# Altium PCB GCMProtPCB.PcbDoc
Units mm, origin at the board's own origin, x right, y up, seen from the top; angles counter-clockwise.
Board outline 152.4 x 101.6 mm, 2 copper layers (Top Layer, Bottom Layer); 38 components, 39 nets, 170 pads, 0 vias.
Unrouted connection lines stored in the file: 99.
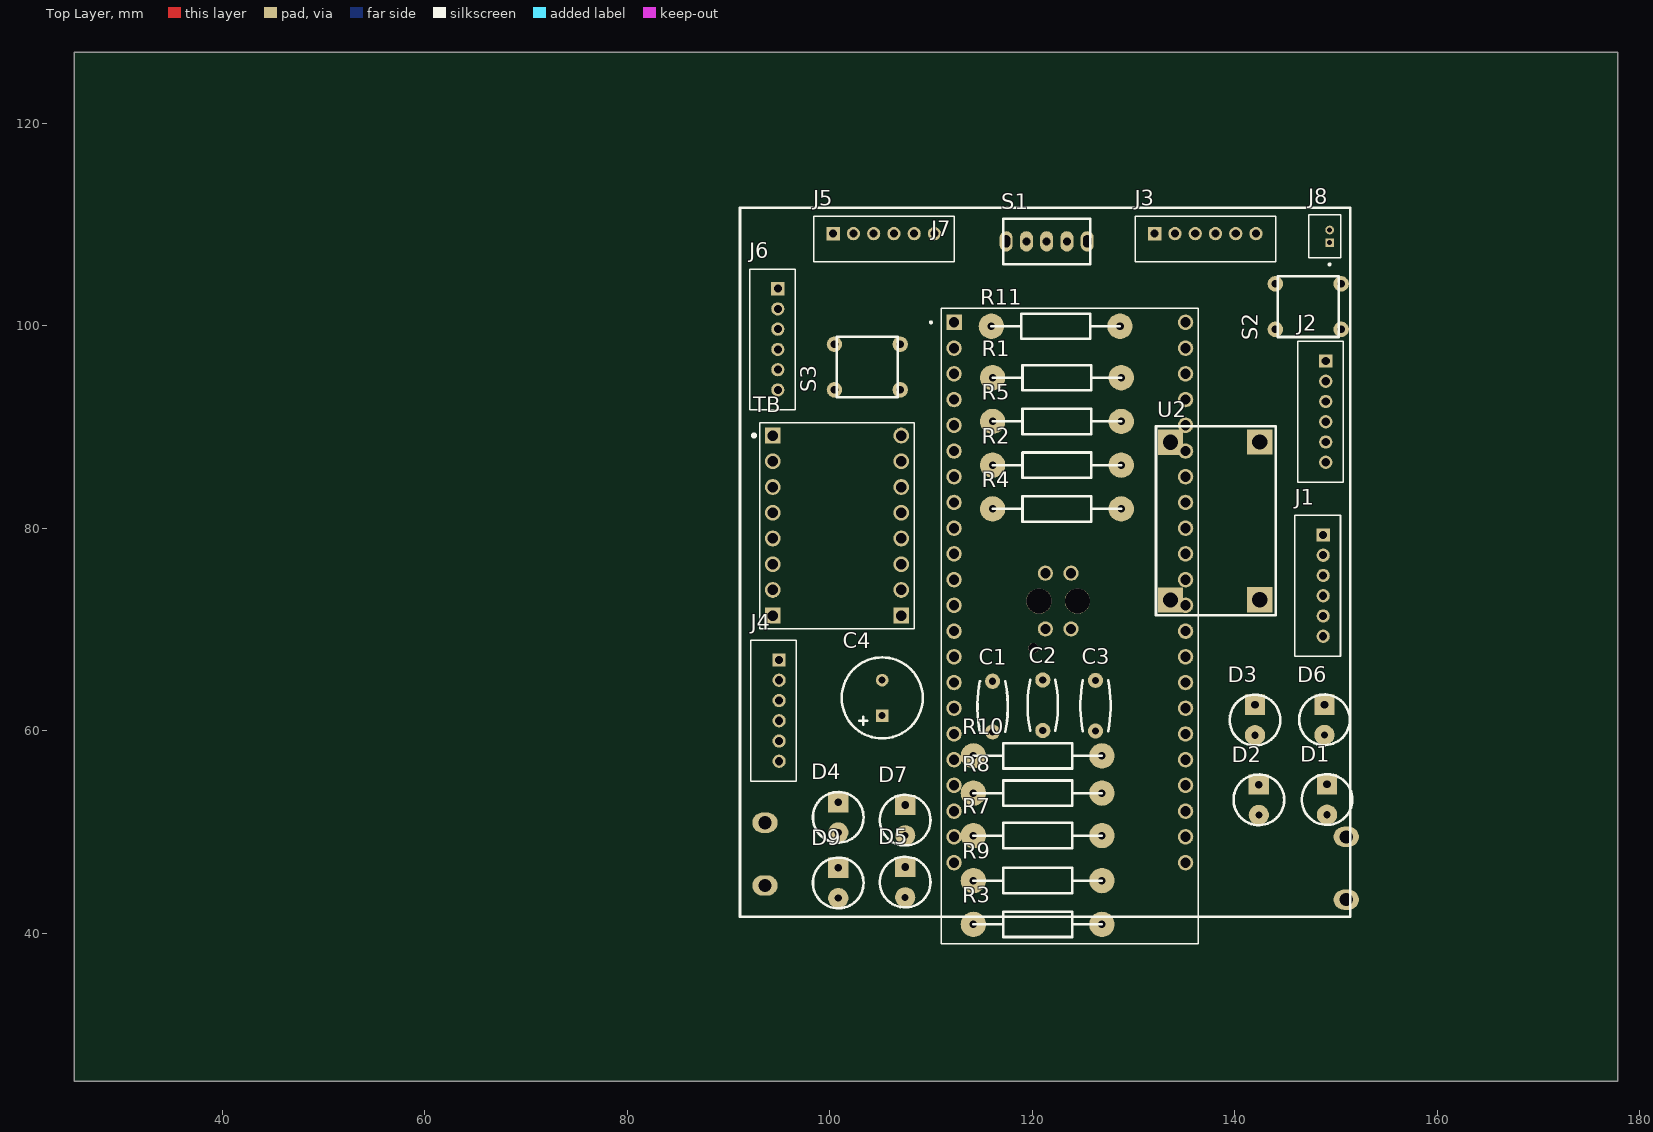
[diagram p0: Top Layer view]
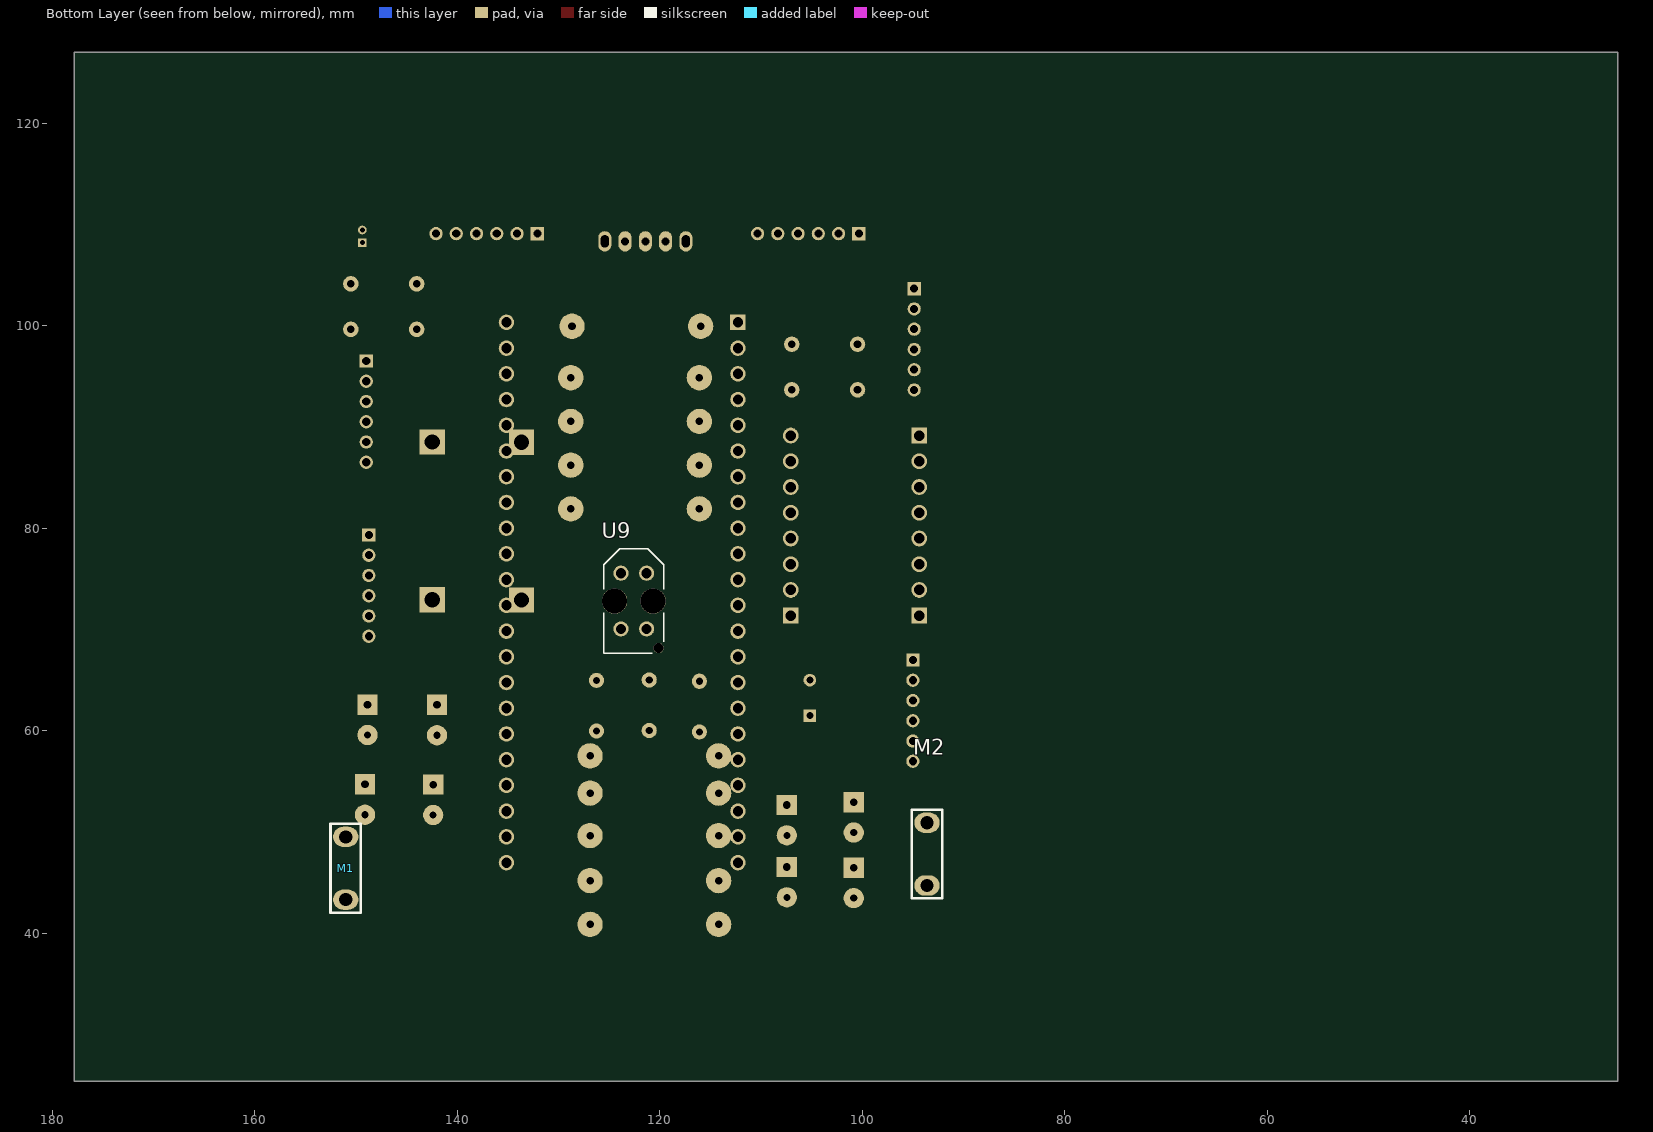
[diagram p1: Bottom Layer view, seen from below]

## Layer stack, top to bottom
Top Solder: solder mask 0.0102, Solder Resist, Dk 3.5
Top Layer: signal copper 0.0356
Dielectric 1: dielectric 0.32, FR-4, Dk 4.8
Bottom Layer: signal copper 0.0356
Bottom Solder: solder mask 0.0102, Solder Resist, Dk 3.5

## Board outline
25.4,25.4 177.8,25.4 177.8,127 25.4,127

## Design rules (kind name [scope] priority, off if disabled: settings)
Clearance Polygon [InPolygon] p1: gap=0.7 ignorepadtopadclearanceinfootprint=TRUE
Clearance [All] p2: gap=0.7 ignorepadtopadclearanceinfootprint=FALSE
PolygonConnect [All] p1: connectstyle=Relief reliefconductorwidth=0.254 reliefentries=4 polygonreliefangle="90 Angle" airgapwidth=0.254
RoutingVias [All] p1: holewidth=0.711 width=1.27 viastyle="Through Hole" minholewidth=0.711 minwidth=1.27 maxholewidth=0.711 maxwidth=1.27
SolderMaskExpansion [All] p1: expansion=0.102 istentingtop=FALSE
Width [All] p1: maxlimit=1 minlimit=0.7 preferedwidth=0.8
30 further rules are at their usual default settings.

## Components (designator, comment, footprint, x,y, rotation, side; value= is the part's Value field where it differs from the comment)
C1 "Cap Ceramico" "Cap Ceramico" 116.078,62.397 r90 top
C2 "100nf" "Cap Ceramico" 121.031,62.524 r90 top
C3 "Cap Ceramico" "Cap Ceramico" 126.238,62.484 r90 top
C4 "220 uF" "Cap El 220 uF" 105.283,62.992 r90 top
D1 "" LED 149.098,53.213 r270 top
D2 "" LED 142.367,53.189 r270 top
D3 "" LED 141.986,61.063 r270 top
D4 "" LED 100.838,51.459 r270 top
D5 "" LED 107.442,45.061 r270 top
D6 "" LED 148.844,61.087 r270 top
D7 "" LED 107.442,51.181 r270 top
D9 "" LED 100.838,44.982 r270 top
J1 "VL53L0X" JST_B6B-PH-K-S(LF)(SN) 148.167,74.343 r90 top
J2 "VL53L0X" JST_B6B-PH-K-S(LF)(SN) 148.421,91.52 r90 top
J3 "VL53L0X" JST_B6B-PH-K-S(LF)(SN) 137.081,108.543 r180 top
J4 "VL53L0X" JST_B6B-PH-K-S(LF)(SN) 94.446,61.992 r90 top
J5 "VL53L0X" JST_B6B-PH-K-S(LF)(SN) 105.331,108.543 r180 top
J6 "VL53L0X" JST_B6B-PH-K-S(LF)(SN) 94.319,98.663 r90 top
J7 "ESP32-S3-DEVKITC-1-N8R8" ESP32-S3-DEVKITC-1-N8R8 123.698,70.36 r0 top
J8 "53047-0210" MOLEX_53047-0210 149.352,108.829 r90 top
M1 "" MOTOR 151.003,43.33 r90 bottom
M2 "" MOTOR 93.599,50.927 r270 bottom
R1 "150Ω" Res_0.25W 122.428,94.869 r180 top
R2 "470Ω" Res_0.25W 122.428,86.233 r180 top
R3 "150Ω" Res_0.25W 120.523,40.894 r180 top
R4 "150Ω" Res_0.25W 122.428,81.915 r180 top
R5 "150Ω" Res_0.25W 122.428,90.551 r180 top
R7 "150Ω" Res_0.25W 120.523,49.657 r0 top
R8 "3.3kΩ" Res_0.25W 120.523,53.848 r0 top
R9 "150Ω" Res_0.25W 120.523,45.212 r180 top
R10 "47Ω" Res_0.25W 120.523,57.531 r180 top
R11 "150Ω" Res_0.25W 122.301,99.949 r180 top
S1 "" "Slide Switch" 125.712,110.581 r180 top
S2 "" Pulsador 144.245,98.89 r180 top
S3 "" Pulsador 106.707,98.921 r0 top
TB "POLOLU-713" SHIELD_POLOLU-713 100.711,80.264 r0 top
U2 "Step-Down Mini360" Step-Down 138.049,81.026 r270 top
U9 "" OPTO_TCRT5000 122.555,72.815 r90 bottom

## Footprints (in the part's own frame and the unit in brackets; to place one, negate y for a bottom-side part, rotate by r counter-clockwise, add the part's x,y. Pads: shape width x height; smd on the part's side, far side on the other; paste and mask are expansions set on the pad)
"Cap Ceramico" [mm]
  round 1.5 hole 0.7: 1(-2.5,0) 2(2.5,0)
  silkscreen extent -2.5,-1.5 2.5,1.5
"Cap El 220 uF" [mm]
  rect 1.25x1.25 hole 0.7: 1(-1.49,0.11)
  round 1.25 hole 0.7: 2(2.01,0.11)
  silkscreen extent -3.74,-3.89 4.26,4.11, body extent -3.71,-3.95 4.29,4.05, height 1.27
ESP32-S3-DEVKITC-1-N8R8 [mm]
  rect 1.53x1.53 / inner round 1.53 / far side rect 1.53x1.53 hole 1.02: J1_1(-11.43,29.97)
  round 1.53 hole 1.02: J1_2(-11.43,27.43) J1_3(-11.43,24.89) J1_4(-11.43,22.35) J1_5(-11.43,19.81) J1_6(-11.43,17.27) J1_7(-11.43,14.73) J1_8(-11.43,12.19) J1_9(-11.43,9.65) J1_10(-11.43,7.11) J1_11(-11.43,4.57) J1_12(-11.43,2.03) J1_13(-11.43,-0.51) J1_14(-11.43,-3.05) J1_15(-11.43,-5.59) J1_16(-11.43,-8.13) J1_17(-11.43,-10.67) J1_18(-11.43,-13.21) J1_19(-11.43,-15.75) J1_20(-11.43,-18.29) J1_21(-11.43,-20.83) J1_22(-11.43,-23.37) J3_1(11.43,29.97) J3_2(11.43,27.43) J3_3(11.43,24.89) J3_4(11.43,22.35) J3_5(11.43,19.81) J3_6(11.43,17.27) J3_7(11.43,14.73) J3_8(11.43,12.19) J3_9(11.43,9.65) J3_10(11.43,7.11) J3_11(11.43,4.57) J3_12(11.43,2.03) J3_13(11.43,-0.51) J3_14(11.43,-3.05) J3_15(11.43,-5.59) J3_16(11.43,-8.13) J3_17(11.43,-10.67) J3_18(11.43,-13.21) J3_19(11.43,-15.75) J3_20(11.43,-18.29) J3_21(11.43,-20.83) J3_22(11.43,-23.37)
  silkscreen extent -13.82,-31.37 12.7,31.37, body extent -12.7,-31.96 12.7,37.68, height 7.39
JST_B6B-PH-K-S(LF)(SN) [mm]
  rect 1.308x1.308 / inner round 1.308 / far side rect 1.308x1.308 hole 0.8: 1(5,-0.55)
  round 1.308 hole 0.8: 2(3,-0.55) 3(1,-0.55) 4(-1,-0.55) 5(-3,-0.55) 6(-5,-0.55)
  silkscreen extent -6.96,-2.26 6.93,2.24, body extent -6.95,-2.25 6.95,2.25, height 6
LED [mm]
  rect 2x2 hole 0.762: 0(-1.5,0)
  round 2 hole 0.7: 1(1.5,0)
  silkscreen extent -2.5,-2.5 2.5,2.5, body extent -2.98,-2.92 2.47,2.98, height 9.6
MOLEX_53047-0210 [mm]
  rect 0.85x0.85 / inner round 0.85 / far side rect 0.85x0.85 hole 0.5: 01(-0.625,0)
  round 0.85 hole 0.5: 02(0.625,0)
  silkscreen extent -2.87,-1.12 2.12,2.07
MOTOR [mm]
  oval 2x2.5 hole 1.3: +(0,0) -(6.2,0)
  silkscreen extent -1.3,-1.5 7.47,1.5, body extent -5.94,-1 12.06,47.28, height 15
OPTO_TCRT5000 [mm]
  round 1.5 hole 1: A(2.75,1.27) CATH(2.75,-1.27) COLL(-2.75,1.27) E(-2.75,-1.27)
  round 1 hole 1 unplated: ""(-4.65,-2.45)
  round 2.5 hole 2.5 unplated: ""(0,-1.9) ""(0,1.9)
  silkscreen extent -5.15,-2.95 5.15,2.95, body extent -5.1,-3.4 5.1,3.4, height 7.2
Pulsador [mil]
  round 60 hole 30: 1(-246.06,-29.53) 2(9.84,-206.69) 3(9.84,-29.53) 4(-246.06,-206.69)
  silkscreen extent -236,-236 0,0
Res_0.25W [mm]
  round 2.5 hole 0.75: 1(-6.35,0) 2(6.35,0)
  silkscreen extent -6.35,-1.25 6.35,1.25
SHIELD_POLOLU-713 [mm]
  rect 1.56x1.56 hole 1.04: 1(-6.35,8.89) 8(-6.35,-8.89) 9(6.35,-8.89)
  round 1.56 hole 1.04: 2(-6.35,6.35) 3(-6.35,3.81) 4(-6.35,1.27) 5(-6.35,-1.27) 6(-6.35,-3.81) 7(-6.35,-6.35) 10(6.35,-6.35) 11(6.35,-3.81) 12(6.35,-1.27) 13(6.35,1.27) 14(6.35,3.81) 15(6.35,6.35) 16(6.35,8.89)
  silkscreen extent -8.35,-10.16 7.62,10.16
"Slide Switch" [mm]
  oval 1.3x2 hole 0.8: 0(2.3,2.25) 1(4.3,2.25) 2(6.3,2.25)
  oval 1.3x2 hole 0.8 slot 1.2 at 90 deg: SH(0.3,2.25) SH(8.3,2.25)
  silkscreen extent 0,0 8.6,4.5, body extent 0.02,0.33 8.61,4.1, height 6.34
Step-Down [mm]
  rect 2.5x2.5 hole 1.5 mask+0: 1(-7.468,-4.4) 2(-7.493,4.4) 3(8.103,-4.4) 4(8.077,4.4)
  silkscreen extent -9.04,-5.84 9.6,5.97, body extent -8.2,-5.56 8.8,5.74, height 4

## Part data
C2: library part "Cap Ceramico"
C4: library part "CAP EL 220 uF"
D1 D2 D3 D4 D5 D6 D7 D9: library part LED, LatestRevisionDate=08-Jul-2005, LatestRevisionNote="Mech Layer 1 removed.", PackageDescription="LED; 2 Leads", PackageReference=LED-0, Published=8-Jun-2000, Publisher="Altium Limited"
J1 J2 J3 J4 J5 J6: library part B6B-PH-K-S(LF)(SN), LCSC Part Number=C131342, Package=None, Availability=Unavailable, MF="{'manufacturer': u'JST Sales America Inc.'}", MP=B6B-PH-K-S(LF)(SN), Price=None
J7: "The ESP32-S3-DEVKITC-1-N8R8 from Espressif Systems is a development board designed for RF, RFID, and wireless applications. It supports 802.11 b/g/n Wi-Fi and BluetoothÂ® 5.x (BLE) connectivity at 2.4GHz, making it ideal for IoT and wireless communication", Package=None, Check_prices=https://www.snapeda.com/parts/ESP32-S3-DEVKITC-1-N8R8/Espressif+Systems/view-part/?ref=eda, MF="Espressif Systems", MP=ESP32-S3-DEVKITC-1-N8R8, SnapEDA_Link=https://www.snapeda.com/parts/ESP32-S3-DEVKITC-1-N8R8/Espressif+Systems/view-part/?ref=snap
J8: ".049 pitch picoblade wire to board header, vt 2 circuits", Package=None, Check_prices=https://www.snapeda.com/parts/53047-0210/Molex/view-part/?ref=eda, MF=Molex, MP=53047-0210, SnapEDA_Link=https://www.snapeda.com/parts/53047-0210/Molex/view-part/?ref=snap
M1 M2: library part POLOLU, LatestRevisionDate=17-Jul-2002, LatestRevisionNote="Re-released for DXP Platform.", Publisher="Altium Limited"
R1 R2 R3 R4 R5 R7 R8 R9 R10 R11: library part "Res Real", "Resistor", LatestRevisionDate=17-Jul-2002, LatestRevisionNote="Re-released for DXP Platform.", PackageDescription="Axial Device, Thru-Hole; 2 Leads; 0.3 in Pin Spacing", PackageReference=AXIAL-0.3, Published=8-Jun-2000, Publisher="Altium Limited"
S1: library part "SLIDE SWITCH"
S2 S3: library part Pulador
TB: "DC-motor driver; IC: TB6612FNG; 100kHz; 1A; Uin mot: 4.5", Package=None, Availability=Unavailable, MF=Pololu, MP=POLOLU-713, Price=None, SnapEDA_Link=https://www.snapeda.com/parts/POLOLU-713/Pololu/view-part/53073/?ref=snap
U2: library part Step-Down
U9: library part TCRT5000, "950 nm 60 mA Through Hole Reflective Optical Sensor with Transistor Output", Package=None, Availability=Unavailable, MP=TCRT5000, Price=None

## Nets (pads, with @x,y where several pads share a name; then routed paths per layer and width w, separated by ;. In a path a pad name is that pad's centre, name@x,y a point inside that pad or via, vN(x,y) a via of type N, cw(c..) or ccw(c..) an arc to the next point about the centre after c; other vN are vias at no path point)
+3.3V: C1.2 C3.2 J1.1 J2.1 J3.1 J4.1 J5.1 J6.1 J7.J1_1 R4.1 R7.1 R8.2 TB.2 U2.3
+7.4V: J8.01 S1.0 U2.1
AIN1: J7.J1_4 TB.14
AIN2: J7.J1_12 TB.15
BIN1: J7.J1_11 TB.12
BIN2: J7.J1_10 TB.11
CLR: J7.J1_20 S3.1
DBL: J7.J3_18 R3.1
GND: C1.1 C2.2 C3.1 C4.2 D1.1 D2.1 D3.1 D4.1 D5.1 D6.1 D7.1 D9.1 J1.2 J2.2 J3.2 J4.2 J5.2 J6.2 J7.J1_22 J7.J3_1 J7.J3_21 J7.J3_22 J8.02 S1.2 S2.2 S3.2 TB.1 TB.8 TB.9 U2.2 U2.4 U9.CATH U9.E
"IR Signal": J7.J1_8 R8.1 R10.1 U9.COLL
MNTD: J7.J1_6 R9.1
MODE: J7.J1_13 R11.1
NetD1_0: D1.0 R5.2
NetD2_0: D2.0 R2.2
NetD3_0: D3.0 R4.2
NetD4_0: D4.0 R9.2
NetD5_0: D5.0 R3.2
NetD6_0: D6.0 R1.2
NetD7_0: D7.0 R10.2
NetD9_0: D9.0 R11.2
NetM1_+: M1.+ TB.3
NetM1_-: M1.- TB.4
NetM2_+: M2.+ TB.6
NetM2_-: M2.- TB.5
NetR7_2: R7.2 U9.A
PWMA: J7.J1_15 TB.16
PWMB: J7.J1_16 TB.10
SCL: J1.3 J2.3 J3.3 J4.3 J5.3 J6.3 J7.J1_17
SDA: J1.4 J2.4 J3.4 J4.4 J5.4 J6.4 J7.J1_18
START: J7.J1_19 S2.1
STBY: J7.J1_9 R1.1 TB.13
TEST: J7.J3_17 R5.1
VSwitch: C2.1 C4.1 R2.1 S1.1 TB.7
XSHUT1: J1.6 J7.J3_4
XSHUT2: J3.6 J7.J3_5
XSHUT3: J5.6 J7.J3_10
XSHUT4: J2.6 J7.J3_11
XSHUT5: J4.6 J7.J3_12
XSHUT6: J6.6 J7.J3_13
pads on no net: J1.5 J2.5 J3.5 J4.5 J5.5 J6.5 J7.J1_2 J7.J1_3 J7.J1_5 J7.J1_7 J7.J1_14 J7.J1_21 J7.J3_2 J7.J3_3 J7.J3_6 J7.J3_7 J7.J3_8 J7.J3_9 J7.J3_14 J7.J3_15 J7.J3_16 J7.J3_19 J7.J3_20 S1.SH S2.3 S2.4 S3.3 S3.4 U9.

## Silkscreen, mask and mechanical layers (free items; w line width, h text height)
Top Overlay:
  lines w0.254: 91.13,41.633 151.384,41.633 151.384,111.633 91.13,111.633 91.13,41.633